# Altium PCB 0.PCB1.PcbDoc (part 7 of 12)
Units mm, origin at the board's own origin, x right, y up, seen from the top; angles counter-clockwise.
Board outline 77 x 72 mm, 6 copper layers (Top Layer, Layer 1, Layer 3, Layer 4, Layer 2, Bottom Layer), stack 1.538 mm thick; 570 components, 490 nets, 3331 pads, 1909 vias.
Unrouted connection lines stored in the file: 2.
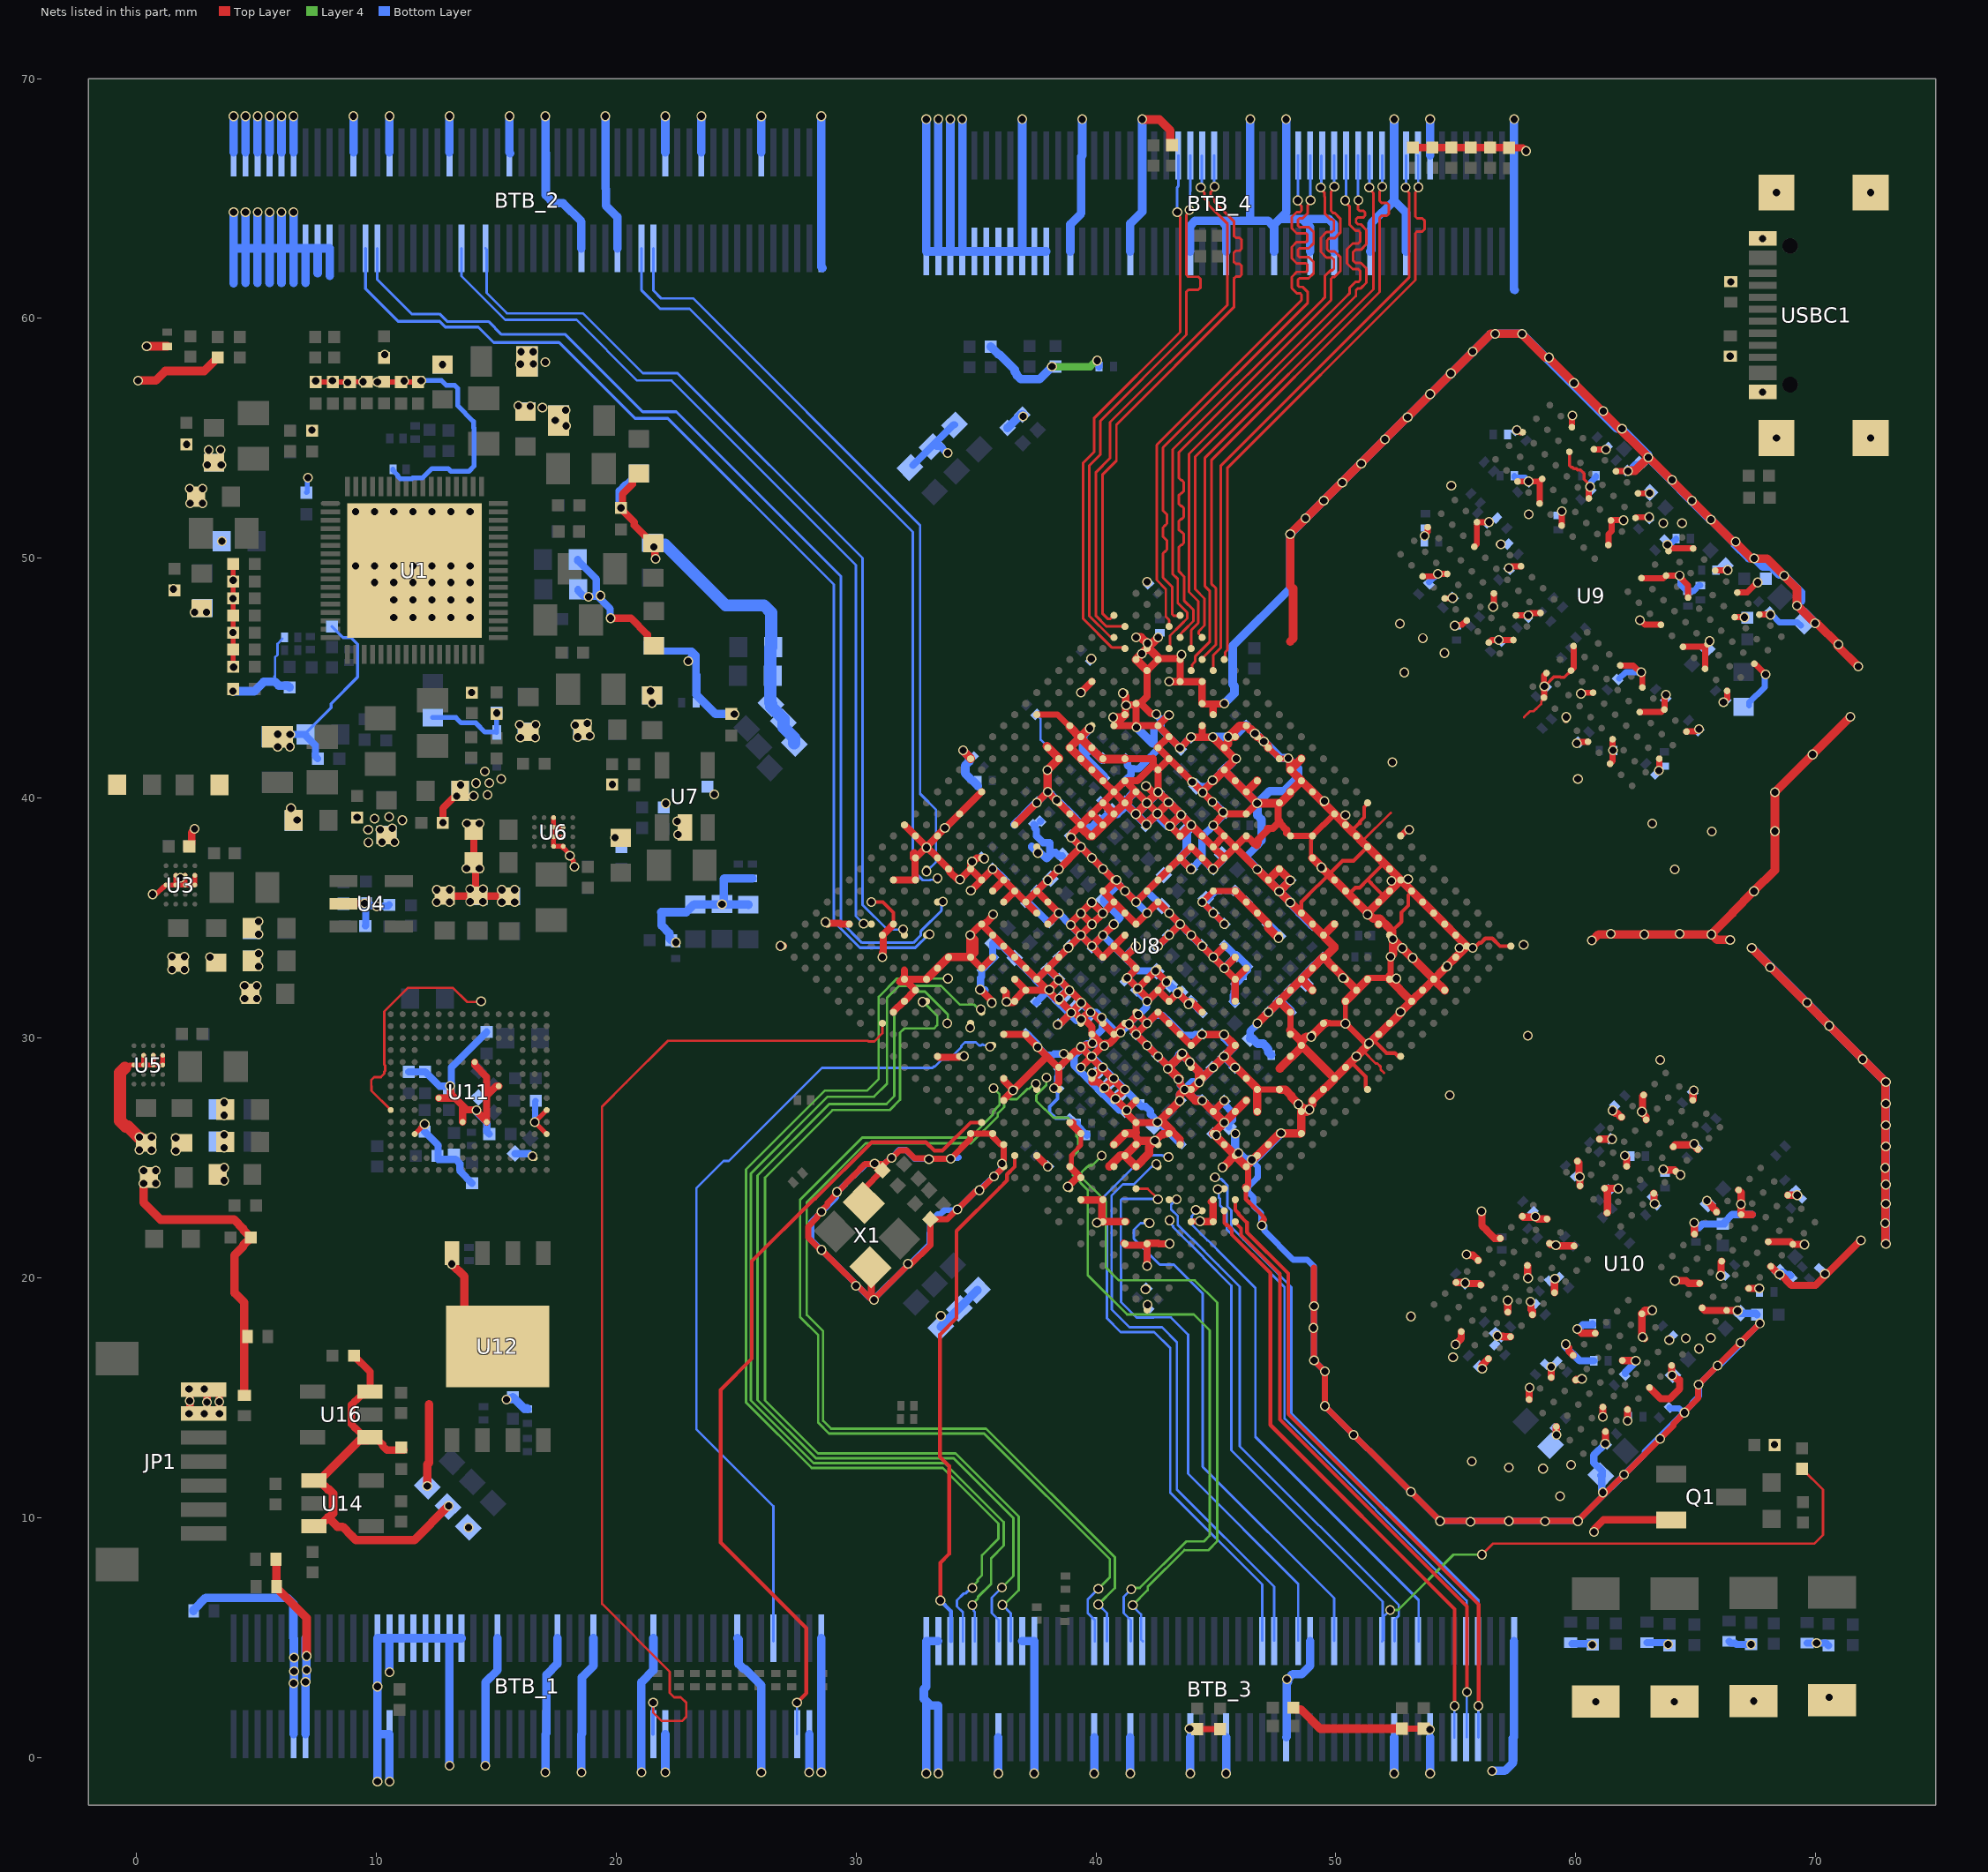
[diagram p11: the nets of this part, all layers, seen from the top]

## Via types
v1: diameter 0.41, hole 0.3, Top Layer to Bottom Layer, tented both sides, 1901 vias
v2: diameter 0.41, hole 0.3, Top Layer to Bottom Layer, 8 vias

## Nets (pads, with @x,y where several pads share a name; then routed paths per layer and width w, separated by ;. In a path a pad name is that pad's centre, name@x,y a point inside that pad or via, vN(x,y) a via of type N, cw(c..) or ccw(c..) an arc to the next point about the centre after c; other vN are vias at no path point) (continued)
GND: (continued)
  Bottom Layer w0.102: 5.765,45.066 5.778,45.079 5.778,45.866 5.879,45.967 5.879,46.431 R40.1@6.088,46.64 ; R54.2@37.501,43.491 37.695,43.297 37.695,42.428 38.318,41.806 38.318,41.499 v1(37.982,41.163)
  Bottom Layer w0.127: 5.765,45.066 5.773,45.058 5.773,44.857 ; C50.2@7.055,42.656 7.055,42.706 8.117,43.768 8.117,43.937 9.224,45.044 9.224,46.414 8.952,46.686 8.62,46.686 R13.1@8.161,47.145
  Bottom Layer w0.142: v1(38.254,27.901) 38.354,27.801 38.399,27.801 38.399,27.455 38.069,27.125 38.069,26.896 38.319,26.646 38.691,26.646 38.714,26.669 38.865,26.669 38.889,26.693 C179.1@38.949,26.634
  Bottom Layer w0.203: C64.1@7.095,52.733 7.122,52.76 7.122,53.326 v1(7.149,53.353) ; R42.1@10.697,53.712 10.697,53.662 10.893,53.465 10.893,53.427 11.012,53.308 11.481,53.308 11.513,53.341 11.922,53.341 12.321,53.739 12.999,53.739 13.113,53.625 13.858,53.625 14.084,53.851 14.084,55.418 14.056,55.446 14.056,55.699 13.387,56.368 13.387,57.085 13.268,57.204 12.925,57.204 12.712,57.417 v1@12.034,57.417 ; C61.2@12.352,43.353 13.319,43.353 13.535,43.137 14.15,43.137 14.535,42.753 15.004,42.753 U2.2@15.019,42.737 v1(15.019,43.545)
  Bottom Layer w0.254: v1(16.602,26.491) 16.624,26.512 16.624,27.358 C395.1@16.645,27.38 ; v1(28.565,22.747) 28.144,22.326 28.144,21.583 29.773,19.954 30.556,19.171 30.603,19.171 30.701,19.073 v1(30.754,19.073) 30.754,19.12 32.163,20.53 v1(32.163,20.577) ; v1@28.565,22.775 28.601,22.811 28.629,22.811 29.168,23.35 29.168,23.537 v1(29.206,23.574) ; v1@29.254,23.608 29.883,24.237 29.897,24.237 ; 29.903,24.255 29.915,24.255 30.39,24.73 30.746,24.73 v1(30.776,24.76) ; v1@30.754,24.737 31.177,24.737 31.442,25.002 v1(31.484,25.002) ; v1@31.494,25.04 31.531,25.077 31.551,25.077 31.795,25.322 32.074,25.322 32.434,24.962 33.018,24.962 v1(33.04,24.941) 33.052,24.953 33.941,24.953 33.979,24.991 34.251,24.991 34.277,25.017 ; v1@32.211,20.53 33.056,21.376 33.056,21.856 33.092,21.892 ; 33.09,21.893 33.09,22.353 33.239,22.502 33.261,22.502 33.403,22.644 33.516,22.644 33.689,22.817 34.199,22.817 v1(34.229,22.847) ; v1@34.23,22.846 34.999,23.615 35.118,23.615 v1(35.148,23.645) 35.732,24.229 v1(35.757,24.229) 36.05,24.522 36.05,24.725 v1(36.088,24.763) ; v1(38.17,57.986) 38.316,57.986 R63.1@38.323,57.993 ; v1(44.427,35.659) v1(44.886,35.2) v1(45.346,34.74) ; C149.1@44.585,35.8 44.691,35.8 45.005,36.113 45.21,36.113 ; 45.404,36.115 45.406,36.114 45.731,36.114 C209.1@45.766,36.149 45.789,36.172 45.821,36.172 C198.1@46.303,35.69 47.584,34.409 47.584,34.189 v1(47.614,34.159) ; v1(46.502,24.915) 46.502,24.873 46.751,24.624 46.751,24.189 46.344,23.782 46.344,23.572 46.563,23.354 46.563,23 46.889,22.674 46.889,22.215 v1(46.919,22.185) ; v1@47.019,22.165 47.019,21.959 48.229,20.75 48.813,20.75 49.092,20.47 v1(49.092,18.819) v1(49.092,16.559) v1(49.55,16.101) 49.55,14.647 v1(50.743,13.452) ; v1@50.764,13.435 51.946,12.253 51.95,12.253 v1(53.131,11.072) v1(54.35,9.853) v1(57.22,9.853) 58.71,9.853 v1(58.72,9.843) ; C334.1@53.893,48.994 v1(54.249,49.35) ; C329.1@57.444,53.439 57.444,53.389 57.467,53.366 57.878,53.366 C335.1@58.008,53.236 ; v1@58.719,9.853 v1(60.091,9.853) 62.871,12.633 62.871,12.735 64.511,14.375 v1(64.536,14.375) ; C299.1@60.599,53.058 60.622,53.058 60.636,53.073 60.636,53.178 60.848,53.389 C325.1@60.848,53.439 ; C302.1@61.818,44.981 62.082,45.246 v1(62.73,45.246) ; v1(62.176,53.634) 62.197,53.634 62.483,53.921 62.632,53.921 C297.1@62.681,53.871 ; v1(63.824,50.567) 63.854,50.597 63.959,50.597 64.112,50.75 64.162,50.75 64.185,50.773 C321.1@64.185,50.823 ; C350.1@63.91,14.586 63.945,14.551 64.317,14.551 64.464,14.405 v1@64.472,14.405 ; v1@64.358,49.223 64.365,49.216 64.365,48.881 64.638,48.609 C303.1@64.688,48.609 ; v1@64.536,14.4 64.866,14.73 64.866,14.781 65.145,15.06 v1@65.145,15.517 ; C303.1@64.739,48.613 64.757,48.632 64.915,48.632 65.146,48.863 C327.1@65.196,48.863 ; v1(65.122,15.541) v1@65.145,15.517 ; v1(65.915,16.335) 65.145,15.564 v1@65.145,15.517 ; v1@65.945,16.305 66.904,17.263 66.904,17.325 67.673,18.093 v1(67.674,18.093) ; C307.1@67.228,43.864 67.228,43.978 67.876,44.626 67.876,45.122 v1(67.914,45.159) ; v1(68.117,47.648) 68.17,47.648 68.489,47.329 69.249,47.329 C322.1@69.387,47.191
  Bottom Layer w0.305: C56.1@5.85,42.565 5.937,42.652 v1(6.408,42.652) ; C56.1@6.077,42.791 6.231,42.637 6.392,42.637 v1(6.408,42.652) ; C60.1@7.559,41.64 7.461,41.738 7.461,42.2 7.055,42.606 C50.2@7.055,42.656 7.053,42.654 6.41,42.654 v1(6.408,42.652) ; C78.1@8.633,35.59 8.643,35.599 9.278,35.599 9.287,35.609 ; 9.287,35.612 9.515,35.612 v1(9.515,35.609) ; R23.1@9.541,34.669 9.557,34.685 C77.1@9.557,35.6 ; C77.1@9.573,35.616 9.671,35.518 9.952,35.518 9.989,35.482 v1(10.017,35.482) 10.037,35.502 10.49,35.502 C80.1@10.538,35.551 ; C392.2@11.351,28.584 C390.2@12.037,28.584 12.632,27.989 13.133,27.989 13.133,28.774 C386.2@14.602,30.243 ; C391.2@12.019,26.091 12.581,25.529 12.581,24.936 13.306,24.936 13.484,24.758 13.484,24.487 13.506,24.464 13.506,24.425 R108.1@13.992,23.939 ; v1(14.178,26.978) 14.198,26.958 14.198,26.882 14.612,26.468 14.612,26.088 C389.2@14.71,25.991 ; C388.2@15.784,25.172 16.387,25.172 16.488,25.071 v1(16.517,25.071) ; C1.2@18.4,49.946 18.4,49.896 19.174,49.121 19.174,48.605 v1(19.341,48.438) ; C62.2@18.41,48.7 18.41,48.65 18.633,48.427 18.683,48.427 18.702,48.408 18.824,48.408 v1(18.844,48.388) ; v1@18.854,48.388 18.874,48.408 19.116,48.408 v1@19.244,48.536 ; v1@19.272,48.369 19.751,47.89 19.751,47.514 v1(19.765,47.5) ; v1(20.201,52.098) 20.201,52.126 20.13,52.197 20.13,52.812 20.399,53.081 20.451,53.081 20.815,53.444 C14.1@20.815,53.516 ; C69.1@21.573,46.351 21.795,46.128 23.151,46.128 ; v1(23.004,45.71) 23.004,45.739 23.151,45.885 23.151,46.128 ; 23.329,45.174 23.329,45.949 23.151,46.128 ; C106.1@32.372,53.869 34.065,55.563 C105.1@34.103,55.563 ; C104.1@33.357,54.669 33.361,54.673 33.503,54.673 33.792,54.384 v1(33.82,54.384) ; v1(35.174,32.013) 35.192,31.995 35.379,31.995 35.381,31.993 35.381,31.976 ; v1@35.174,32.07 35.194,32.09 35.194,32.502 35.234,32.542 C296.1@35.234,32.83 ; v1@35.199,32.039 v1@35.229,32.01 ; C296.1@35.266,32.866 C295.1@35.725,33.324 35.757,33.356 35.757,33.36 35.693,33.424 C164.1@35.693,33.944 35.831,33.944 35.95,33.825 36.098,33.825 C165.1@36.613,33.31 ; v1(35.696,37.038) 35.76,37.038 36.185,36.613 C244.1@36.188,36.613 ; C165.1@36.608,33.335 37.467,32.475 37.467,32.443 37.499,32.411 ; 36.61,38.87 36.586,38.895 36.586,38.898 36.999,39.312 ; 37.032,39.365 37.035,39.365 37.473,39.802 v1(37.537,39.802) 37.992,40.258 v1(37.994,40.258) 38.031,40.258 C219.1@38.415,39.874 ; C294.1@37.11,30.184 37.11,30.18 37.548,29.742 v1@37.548,29.613 ; 37.327,37.996 37.327,37.951 37.419,37.859 v1@37.56,37.859 ; C237.1@37.417,38.894 37.449,38.862 37.449,38.753 37.52,38.682 37.52,38.414 37.795,38.14 38.069,38.14 38.08,38.129 38.08,37.601 ; C242.2@37.496,36.154 C242.2@37.532,36.118 ; C241.1@37.506,31.478 v1@37.969,31.941 ; v1(37.568,29.613) 37.597,29.613 37.93,29.279 38.206,29.279 38.254,29.327 38.645,29.327 v1(38.656,29.339) ; v1(37.579,37.715) v1@37.643,37.779 ; v1@37.595,37.827 37.595,37.824 37.947,37.472 37.951,37.472 38.08,37.601 ; R55.2@37.688,39.038 R55.2@37.688,39.041 ; v1(37.991,36.577) C242.2@37.532,36.118 ; v1(38.059,32.009) 38.037,32.009 v1@37.969,31.941 ; v1(38.254,27.901) 38.254,27.929 38.399,28.074 38.399,28.376 38.434,28.411 38.434,28.702 C183.1@38.466,28.734 ; v1(38.361,39.907) 38.389,39.907 38.506,39.789 38.531,39.789 C220.1@38.947,39.373 39.418,38.902 39.418,38.728 39.438,38.707 ; v1(38.396,30.55) 38.475,30.55 38.918,30.992 39.189,30.72 39.34,30.72 39.383,30.764 v1(39.383,30.769) ; C129.1@38.602,37.59 38.464,37.59 38.324,37.73 38.209,37.73 38.08,37.601 ; v1(38.9,31.978) 38.884,31.978 C170.1@37.976,32.887 ; 38.908,29.224 38.903,29.219 39.089,29.219 ; v1@38.939,34.711 v1(39.83,33.82) 39.83,33.822 41.007,34.999 40.317,35.689 C127.1@40.317,35.773 40.871,36.326 C111.1@40.871,36.469 ; v1(38.947,34.712) 38.942,34.712 38.456,35.199 v1(38.451,35.199) 38.044,34.791 38.04,34.791 C166.1@38.027,34.805 37.172,35.659 37.142,35.659 37.11,35.691 37.106,35.691 C245.1@37.074,35.659 C242.2@37.532,36.118 ; v1(38.968,31.047) 38.948,31.067 38.842,31.067 37.98,31.93 v1@37.969,31.941 ; v1(38.973,38.352) 38.988,38.352 v1(39.376,37.964) v1(39.835,37.504) v1(40.295,37.044) C111.1@40.871,36.469 ; C277.1@39.217,26.439 39.219,26.437 39.219,26.342 39.582,25.979 39.616,25.979 39.618,25.976 C283.1@39.618,25.931 ; v1(39.371,34.281) C170.1@37.976,32.887 ; v1(39.38,29.617) v1@39.433,29.564 ; v1(39.385,31.461) 39.391,31.461 v1(39.784,31.068) ; v1@39.398,30.755 39.533,30.891 39.67,30.891 39.842,31.062 40.022,31.062 C169.1@40.288,30.796 ; v1(39.855,29.773) 39.835,29.753 39.622,29.753 v1@39.433,29.564 ; v1(40.054,58.242) 40.054,58.213 40.129,58.138 40.129,57.988 C230.2@40.131,57.986 ; C221.1@40.237,39.859 40.24,39.859 40.596,39.503 C108.1@40.596,39.469 ; v1(40.289,34.278) 41.197,33.37 ; v1(40.344,29.665) 40.323,29.685 40.049,29.685 39.982,29.753 39.861,29.753 39.844,29.769 39.875,29.8 39.875,29.973 40.268,30.365 40.268,30.776 C169.1@40.288,30.796 ; v1(40.871,36.582) C111.1@40.871,36.469 ; C223.1@41.205,40.71 41.205,40.714 41.465,40.974 C224.1@41.465,41.169 ; R57.2@41.278,41.637 41.31,41.605 41.31,41.374 C224.1@41.465,41.219 ; v1(41.282,26.989) 40.966,26.989 C181.1@39.754,28.201 39.089,28.866 39.089,29.219 ; v1@41.378,30.557 41.378,30.551 41.602,30.328 C135.1@41.602,30.166 ; C224.1@41.468,41.171 C224.1@41.465,41.169 ; v1(41.666,33.814) 41.642,33.814 41.197,33.37 ; v1(41.673,30.148) v1@43.051,28.77 ; v1(41.764,30.97) 41.764,30.967 41.378,30.582 41.378,30.559 v1(41.035,30.216) 41.015,30.236 40.848,30.236 C169.1@40.288,30.796 ; v1(42.133,35.206) v1(41.674,35.666) ; 42.413,42.276 42.413,42.859 42.592,43.037 42.594,43.037 42.722,43.165 ; v1(42.486,32.796) 42.466,32.776 42.388,32.776 42.367,32.796 41.774,32.796 41.671,32.9 C180.1@41.668,32.9 ; v1(42.486,32.796) 43.857,31.426 v1(43.857,31.408) ; v1(42.521,43.496) 42.521,43.468 42.722,43.267 42.722,43.165 ; v1(42.565,26.49) 42.565,26.518 42.272,26.811 42.272,26.944 42.079,27.137 41.916,27.137 41.668,27.385 C136.1@41.665,27.385 v1(41.205,27.844) v1(40.746,28.304) v1(39.827,29.223) 39.806,29.243 39.754,29.243 39.536,29.461 v1@39.433,29.564 ; v1(42.584,33.822) 42.59,33.822 v1(43.51,34.742) ; 42.59,42.099 42.562,42.071 42.562,42.004 42.166,41.607 C266.1@42.166,41.604 42.162,41.604 41.777,41.219 C224.1@41.465,41.219 ; C148.1@42.754,35.494 42.16,36.088 42.16,36.151 ; v1(42.937,32.328) 42.935,32.328 42.13,31.522 v1(42.128,31.522) ; v1@43.029,28.744 43.026,28.742 43.026,28.675 v1@43.45,28.251 ; v1(43.043,43.458) 43.015,43.458 42.722,43.165 ; v1(43.05,35.202) v1(43.51,34.742) ; v1(43.434,28.267) 43.434,28.239 43.511,28.162 43.511,28.033 v1(43.7,27.844) 43.72,27.824 43.755,27.824 44.125,27.453 C292.1@44.428,27.453 ; 43.504,37.493 43.049,37.038 43.047,37.038 42.16,36.151 ; 43.505,37.493 v1(43.965,37.034) 44.422,37.491 44.422,37.493 ; v1(43.962,42.539) 43.96,42.539 v1(43.505,42.084) 42.722,42.867 42.722,43.165 ; v1(43.969,38.872) 44.439,38.403 ; C124.1@44.003,31.561 44.035,31.529 44.035,31.445 C116.1@44.423,31.057 ; C274.1@44.192,40.484 44.635,40.484 44.856,40.705 C262.1@44.859,40.705 44.863,40.705 45.318,41.16 C263.1@45.341,41.16 ; v1(44.425,30.142) 44.134,30.142 44.102,30.11 43.612,30.11 43.545,30.177 C123.1@43.542,30.177 C113.1@43.082,30.637 42.781,30.938 42.464,30.938 v1(42.13,30.603) 41.778,30.956 42.108,31.286 42.108,31.502 v1(42.128,31.522) ; C216.1@44.918,39.765 44.95,39.733 45.007,39.733 C217.1@45.345,39.395 ; C193.1@45.228,37.614 45.348,37.494 44.888,37.033 v1(44.882,37.033) 44.422,37.493 ; v1(45.347,27.386) 45.347,27.238 45.689,26.897 45.689,26.574 45.538,26.423 C282.1@45.538,26.285 ; C217.1@45.379,39.361 45.38,39.357 44.887,38.864 v1(44.887,38.859) 44.887,38.851 44.439,38.403 ; C214.1@45.381,33.856 45.385,33.856 C213.1@45.767,33.474 ; C206.1@45.765,31.481 45.733,31.512 45.733,31.77 45.765,31.803 45.765,31.932 45.8,31.967 45.8,32.258 C205.1@45.832,32.29 45.864,32.322 45.902,32.322 46.146,32.566 C202.1@46.146,32.611 46.146,32.657 46.315,32.825 46.315,32.942 46.347,32.974 46.347,32.977 C191.1@46.315,33.009 45.85,33.474 C213.1@45.767,33.474 ; C201.1@46.427,29.968 46.427,30.27 46.73,30.573 v1(46.73,30.61) ; 46.73,38.047 46.73,38.019 46.325,37.614 46.325,37.509 46.305,37.489 47.644,36.15 v1(47.644,36.11) ; v1@59.557,17.143 60.167,16.533 C346.1@60.756,16.533 ; U17.1@59.842,4.741 60.662,4.741 C400.1@60.709,4.694 ; v1@60.065,17.879 60.136,17.879 60.292,18.035 60.703,18.035 60.705,18.037 C357.1@60.705,18.083 ; C366.1@61.051,11.753 61.087,11.718 61.087,11.131 61.132,11.086 v1(61.132,11.047) ; C366.1@61.107,11.733 61.107,11.936 60.751,12.291 60.751,12.594 v1(61.235,13.079) ; C369.1@62.072,16 62.072,16.062 62.504,16.494 v1(62.504,16.533) ; U20.1@62.97,4.788 63.783,4.788 C401.1@63.91,4.661 ; C363.1@65.135,22.093 65.283,22.241 C342.1@66.136,22.241 ; C342.1@66.212,22.248 66.212,22.317 66.529,22.634 67.355,22.634 ; U21.1@66.399,4.839 66.472,4.766 66.646,4.766 66.7,4.712 v1(67.313,4.712) ; v1(66.753,18.624) 66.759,18.624 66.868,18.516 67.506,18.516 C341.1@67.558,18.464 ; v1(68.498,20.14) 68.586,20.228 68.648,20.228 68.736,20.14 68.904,20.14 C384.1@68.955,20.089 ; U22.1@69.65,4.769 v1(70.041,4.769) 70.431,4.769 C403.1@70.539,4.661 ; 37.499,32.411 v1@37.969,31.941 ; 37.499,32.411 37.5,32.411 C170.1@37.976,32.887 ; 39.089,29.219 v1@39.433,29.564 ; C111.1@40.871,36.469 v1(41.214,36.125) v1(41.674,35.666) ; 41.197,33.37 C180.1@41.668,32.9 ; C224.1@41.465,41.169 C224.1@41.465,41.219 ; C180.1@41.668,32.9 41.683,32.884 41.683,32.881 v1(41.303,32.501) 41.677,32.127 41.677,32.002 42.128,31.55 v1(42.128,31.522) ; v1@41.674,35.666 42.16,36.151 ; v1(43.51,34.742) 43.963,34.289 v1(44.889,33.363) v1(45.349,32.904) 45.349,32.932 45.767,33.351 C213.1@45.767,33.474 ; 44.422,37.493 44.422,38.387 44.439,38.403
  Bottom Layer w0.356: U23.1@2.383,6.101 2.383,6.151 2.888,6.656 6.295,6.656 6.547,6.404 6.547,4.973 BTB_1.6@6.551,4.97 6.564,4.956 BTB_1.6@6.564,4.149 ; v1(4.031,44.458) 4.922,44.458 5.313,44.849 5.765,44.849 5.773,44.857 5.939,44.691 6.311,44.691 R15.1@6.383,44.619 ; v1(4.051,64.431) BTB_2.100@4.051,62.92 ; BTB_2.1@4.051,66.92 v1(4.051,68.431) ; 4.058,61.468 4.051,61.476 BTB_2.100@4.051,62.92 ; 4.551,61.476 BTB_2.99@4.551,62.92 ; v1(4.551,64.431) BTB_2.99@4.551,62.92 ; BTB_2.2@4.551,66.92 v1(4.551,68.431) ; 5.051,61.476 BTB_2.98@5.051,62.92 ; v1(5.051,64.431) BTB_2.98@5.051,62.92 ; BTB_2.3@5.051,66.92 v1(5.051,68.431) ; 5.551,61.476 BTB_2.97@5.551,62.92 ; v1(5.551,64.431) BTB_2.97@5.551,62.92 ; BTB_2.4@5.551,66.92 v1(5.551,68.431) ; 6.051,61.476 BTB_2.96@6.051,62.92 ; v1(6.051,64.431) BTB_2.96@6.051,62.92 ; BTB_2.5@6.051,66.92 v1(6.051,68.431) ; BTB_1.95@6.551,0.97 6.552,0.971 6.552,3.093 v1(6.554,3.094) ; 6.551,61.476 BTB_2.95@6.551,62.92 ; v1(6.551,64.431) BTB_2.95@6.551,62.92 ; BTB_2.6@6.551,66.92 v1(6.551,68.431) ; v1@6.556,3.102 6.568,3.114 v1@6.568,3.594 ; BTB_1.6@6.567,4.147 6.567,3.602 v1(6.574,3.595) ; BTB_1.94@7.051,0.97 7.051,3.159 7.086,3.194 7.086,3.632 v1(7.096,3.643) 7.086,3.653 7.086,4.19 7.051,4.224 BTB_1.7@7.051,4.97 ; 7.051,61.476 BTB_2.94@7.051,62.92 ; 7.558,61.887 7.558,62.913 BTB_2.93@7.551,62.92 ; 8.064,61.773 8.064,62.907 BTB_2.92@8.051,62.92 BTB_2.93@7.551,62.92 ; BTB_2.11@9.051,66.92 v1(9.051,68.431) ; v1(10.051,-1.01) BTB_1.88@10.051,0.97 ; v1(10.551,-1.007) BTB_1.87@10.551,0.97 BTB_1.88@10.051,0.97 ; v1(10.551,3.549) BTB_1.14@10.551,4.97 ; BTB_2.14@10.551,66.92 v1(10.551,68.431) ; v1(13.051,-0.344) BTB_1.19@13.051,4.97 ; BTB_2.19@13.051,66.92 v1(13.051,68.431) ; BTB_1.20@13.551,4.97 BTB_1.19@13.051,4.97 ; v1(14.551,-0.344) 14.551,3.132 15.051,3.632 BTB_1.23@15.051,4.97 ; v1(15.422,14.92) 15.437,14.92 15.465,14.948 15.619,14.948 C397.1@15.691,15.02 16.162,14.55 16.279,14.55 16.301,14.527 C396.1@16.301,14.522 ; v1(15.551,68.431) BTB_2.24@15.551,66.92 BTB_2.24@15.582,66.889 ; v1(17.051,-0.618) BTB_1.74@17.051,0.97 17.093,1.012 17.093,3.44 17.551,3.897 BTB_1.28@17.551,4.97 ; v1(17.051,68.431) BTB_2.27@17.051,66.92 17.063,66.908 17.063,65.141 17.401,64.803 17.784,64.803 18.551,64.036 BTB_2.71@18.551,62.92 ; v1(18.551,-0.618) BTB_1.71@18.551,0.97 18.574,0.992 18.574,3.337 19.051,3.815 BTB_1.31@19.051,4.97 ; v1(19.551,68.431) 19.551,65.411 19.571,65.391 19.571,64.706 20.051,64.226 BTB_2.68@20.051,62.92 ; v1(21.051,-0.618) BTB_1.66@21.051,0.97 21.051,3.137 21.551,3.637 BTB_1.36@21.551,4.97 ; v1(22.051,-0.618) BTB_1.64@22.051,0.97 ; BTB_2.37@22.051,66.92 v1(22.051,68.431) ; C279.1@22.292,34.075 22.22,34.147 22.22,34.365 21.897,34.687 21.891,34.687 21.888,34.691 21.888,35.235 21.884,35.238 22.922,35.238 23.251,35.568 C161.1@23.301,35.568 23.308,35.561 25.504,35.561 C163.1@25.511,35.554 ; 23.342,45.131 23.342,44.303 24.142,43.503 v1(24.926,43.503) ; BTB_2.40@23.551,66.92 v1(23.551,68.431) ; v1(24.414,35.577) 24.486,35.648 24.486,36.625 24.51,36.649 25.682,36.649 C264.1@25.684,36.651 ; BTB_1.43@25.051,4.97 25.104,4.917 25.104,3.897 25.31,3.69 25.359,3.69 26.051,2.999 BTB_1.56@26.051,0.97 v1(26.051,-0.618) ; BTB_2.45@26.051,66.92 v1(26.051,68.431) ; v1(28.051,-0.618) BTB_1.52@28.051,0.97 ; v1(28.551,-0.618) BTB_1.51@28.551,0.97 BTB_1.50@28.551,4.97 ; v1(28.551,68.431) BTB_2.50@28.551,66.92 BTB_2.51@28.551,62.92 28.551,62.151 BTB_2.51@28.604,62.098 ; v1(32.931,-0.668) BTB_3.100@32.931,0.843 32.931,2.343 ; v1(32.931,68.304) BTB_4.1@32.931,66.793 BTB_4.100@32.931,62.793 BTB_4.99@33.431,62.793 ; v1(33.431,-0.668) BTB_3.99@33.431,0.843 33.431,2.16 33.113,2.16 32.931,2.343 ; BTB_3.2@33.431,4.843 BTB_3.1@32.931,4.843 32.931,2.946 32.83,2.845 32.83,2.444 32.931,2.343 ; v1(33.431,68.304) BTB_4.2@33.431,66.793 BTB_4.99@33.431,62.793 ; C141.1@33.531,17.944 33.531,17.95 35.056,19.475 C143.1@35.056,19.48 ; v1(33.931,68.304) BTB_4.3@33.931,66.793 BTB_4.98@33.931,62.793 ; v1(34.431,68.304) BTB_4.4@34.431,66.793 BTB_4.97@34.431,62.793 ; v1(34.461,41.986) 34.461,41.971 34.719,41.713 34.719,41.527 34.553,41.362 34.553,41.023 35.084,40.493 ; R17.1@35.614,58.82 35.935,58.499 35.98,58.499 36.613,57.866 36.613,57.775 36.701,57.687 36.701,57.627 36.865,57.463 37.648,57.463 v1(38.17,57.986) ; v1(35.931,-0.668) BTB_3.94@35.931,0.843 ; C257.1@36.318,55.437 36.849,55.967 36.918,55.967 v1(36.966,55.918) ; BTB_4.93@36.484,62.793 BTB_4.92@36.931,62.793 ; C267.1@36.927,55.985 C267.1@36.933,55.985 ; BTB_3.9@36.931,4.843 BTB_3.10@37.431,4.843 BTB_3.91@37.431,0.843 v1(37.431,-0.668) ; v1(36.931,68.304) BTB_4.9@36.931,66.793 BTB_4.92@36.931,62.793 ; BTB_4.90@37.931,62.793 BTB_4.91@37.431,62.793 BTB_4.92@36.931,62.793 ; BTB_4.88@38.931,62.793 38.931,63.92 39.39,64.379 39.39,66.752 BTB_4.14@39.431,66.793 v1(39.431,68.304) ; 39.519,38.756 39.817,38.756 40.061,39 C107.1@40.164,39 40.189,39 40.608,39.419 40.608,39.458 C108.1@40.596,39.469 ; v1(39.748,42.902) 39.748,42.887 39.469,42.609 39.469,41.768 ; v1(39.931,-0.668) BTB_3.86@39.931,0.843 ; C222.1@40.264,41.607 39.804,42.067 39.783,42.067 39.484,41.768 39.469,41.768 ; C228.1@40.337,40.9 39.469,41.768 ; C108.1@40.69,39.339 40.695,39.335 40.888,39.335 41.155,39.602 41.155,39.623 41.239,39.706 ; C229.1@41.142,39.8 41.236,39.706 41.239,39.706 ; v1(41.431,-0.668) BTB_3.83@41.431,0.843 ; BTB_4.83@41.431,62.793 41.431,63.951 41.931,64.451 BTB_4.19@41.931,66.793 v1(41.931,68.304) ; 41.528,40.176 41.528,40.162 41.266,39.9 41.266,39.733 ; v1(41.697,42.95) 42.371,42.276 42.413,42.276 ; v1(42.563,39.352) v1@42.517,39.306 ; v1(42.565,26.49) 42.575,26.48 42.659,26.48 C285.1@43.089,26.049 C278.1@43.546,25.592 ; v1(42.993,28.711) 42.993,28.726 43.394,29.127 43.394,29.149 C145.1@43.473,29.229 ; C145.1@43.473,29.26 C145.1@43.477,29.256 ; C145.1@43.473,29.29 43.536,29.353 43.614,29.353 43.664,29.302 43.664,29.247 v1@43.93,28.98 ; v1(43.499,27.379) 43.499,27.628 43.7,27.829 v1(43.7,27.844) 43.715,27.844 44.01,28.139 44.277,28.139 44.286,28.148 44.286,28.166 44.463,28.343 ; 43.505,37.493 43.505,37.508 43.791,37.793 C256.1@43.791,38.691 ; v1(43.546,39.296) v1(43.082,38.833) 43.072,38.843 42.979,38.843 v1@42.517,39.306 ; v1(43.923,28.976) 43.923,28.964 44.463,28.424 44.463,28.343 ; v1(43.931,-0.668) BTB_3.78@43.931,0.843 ; BTB_4.78@43.931,62.793 43.931,63.864 44.139,64.073 45.222,64.073 ; v1(43.969,38.872) v1(43.026,39.815) v1(42.591,40.251) 41.671,39.332 v1(41.667,39.332) ; v1(44.88,42.538) 44.887,42.545 45.506,42.545 45.524,42.563 45.753,42.563 C239.1@46.231,43.042 46.262,43.042 46.6,42.705 46.622,42.705 v1(46.632,42.694) ; v1(45.343,30.137) 45.353,30.127 45.353,30.011 45.737,29.627 45.737,29.612 45.732,29.612 44.463,28.343 ; v1(45.345,29.222) v1(45.804,28.763) ; v1(45.347,43.938) 45.773,44.364 45.773,44.666 45.702,44.737 45.702,46.343 48.102,48.743 v1(48.102,51.001) v1(49.499,52.398) 56.44,59.34 56.631,59.34 v1(56.649,59.358) v1(57.767,59.358) 61.711,55.413 61.914,55.413 v1(61.932,55.395) 63.006,54.321 63.006,54.219 v1(63.024,54.201) 65.628,51.598 65.653,51.598 66.554,50.697 66.658,50.697 v1(66.668,50.687) ; v1(45.431,-0.668) BTB_3.75@45.431,0.843 ; BTB_4.75@45.431,62.793 45.431,63.864 45.222,64.073 ; v1(45.809,26.011) 45.799,26.001 45.799,25.363 45.945,25.217 v1(45.945,25.202) 45.96,25.202 46.236,24.926 46.491,24.926 v1(46.502,24.915) 46.512,24.926 46.619,24.926 v1(47.716,26.023) ; v1(45.851,41.639) 45.837,41.639 45.566,41.368 45.527,41.368 45.341,41.183 45.341,41.16 45.762,40.739 45.765,40.739 45.765,40.738 v1(46.72,39.781) v1(46.72,39.781) ; C201.1@46.427,29.968 46.529,29.968 46.739,29.758 46.974,29.758 47.131,29.601 47.131,29.576 47.187,29.521 47.187,29.408 47.307,29.289 C204.1@47.312,29.289 ; v1(46.431,68.304) BTB_4.28@46.431,66.793 46.431,64.103 46.401,64.073 ; v1@46.649,42.688 46.653,42.688 46.985,42.355 v1(46.999,42.355) 47.683,41.672 48.005,41.672 v1(48.015,41.661) 48.015,41.647 48.424,41.238 48.424,40.871 47.848,40.295 47.249,40.295 46.735,39.781 v1(46.72,39.781) ; 46.73,38.047 46.73,38.062 46.905,38.237 46.905,39.106 46.73,39.281 46.73,39.771 v1(46.72,39.781) ; v1(47.187,31.065) 47.609,31.487 47.609,31.52 47.613,31.524 47.613,31.555 C187.1@47.609,31.559 ; BTB_4.71@47.431,62.793 47.431,63.919 ; BTB_3.70@47.931,0.843 47.957,0.869 47.957,3.094 48.003,3.14 v1@48.003,3.264 ; v1(47.931,68.304) BTB_4.31@47.931,66.793 47.931,64.419 47.654,64.143 ; v1(47.967,3.262) 47.97,3.264 v1@48.003,3.264 ; v1(48.102,36.569) v1(48.102,36.569) v1(47.644,36.11) 47.656,36.11 48.104,35.663 v1(48.104,35.651) 48.104,35.611 48.471,35.243 48.471,35.219 C199.1@48.99,34.701 ; C192.1@48.139,31.099 47.714,31.524 47.645,31.524 49.478,33.357 C190.1@49.485,33.357 ; BTB_3.33@48.931,4.843 48.931,3.822 48.581,3.473 48.211,3.473 v1@48.003,3.264 ; BTB_4.68@48.931,62.793 48.931,63.813 48.602,64.143 ; BTB_4.66@49.931,62.793 49.921,62.803 49.921,63.934 49.713,64.143 48.602,64.143 ; BTB_4.63@51.431,62.793 51.484,62.846 51.484,63.964 52.431,64.911 ; v1(52.431,-0.668) BTB_3.61@52.431,0.843 ; v1(52.431,68.304) BTB_4.40@52.431,66.793 52.431,64.911 ; BTB_4.60@52.931,62.793 52.931,64.411 52.431,64.911 ; v1(53.931,-0.668) BTB_3.58@53.931,0.843 ; BTB_4.43@53.931,66.793 v1(53.931,68.304) ; v1(56.519,-0.564) 57.045,-0.564 57.378,-0.23 57.378,0.79 BTB_3.51@57.431,0.843 BTB_3.50@57.431,4.843 ; v1(57.431,68.304) 57.431,66.056 BTB_4.51@57.431,62.793 57.431,61.207 57.459,61.179 ; v1@66.603,50.622 67.215,50.011 67.417,50.011 v1(67.435,49.993) 67.46,49.993 67.807,49.647 68.153,49.647 68.477,49.323 68.64,49.323 69.389,48.573 69.389,48.222 69.222,48.055 v1(69.222,48.029) 69.235,48.029 C322.1@69.978,47.286 ; v1(67.342,33.754) v1(72.93,28.166) v1(72.93,27.265) v1(72.93,26.363) v1(72.93,25.474) v1(72.93,23.887) v1(72.93,23.086) v1(72.93,21.41) ; v1@71.775,45.489 v1(71.787,45.489) ; BTB_2.100@4.051,62.92 BTB_2.99@4.551,62.92 ; BTB_2.99@4.551,62.92 BTB_2.98@5.051,62.92 ; BTB_2.98@5.051,62.92 BTB_2.97@5.551,62.92 ; BTB_2.97@5.551,62.92 BTB_2.96@6.051,62.92 ; BTB_2.96@6.051,62.92 BTB_2.95@6.551,62.92 ; BTB_2.95@6.551,62.92 BTB_2.94@7.051,62.92 ; BTB_2.94@7.051,62.92 BTB_2.93@7.551,62.92 ; BTB_1.88@10.051,0.97 v1(10.051,2.956) BTB_1.13@10.051,4.97 BTB_1.14@10.551,4.97 ; BTB_1.14@10.551,4.97 BTB_1.15@11.051,4.97 BTB_1.18@12.551,4.97 BTB_1.19@13.051,4.97 ; BTB_4.99@33.431,62.793 BTB_4.98@33.931,62.793 ; BTB_4.98@33.931,62.793 BTB_4.97@34.431,62.793 ; BTB_4.97@34.431,62.793 BTB_4.95@35.431,62.793 BTB_4.94@35.931,62.793 BTB_4.92@36.931,62.793 ; 41.239,39.706 41.266,39.733 ; 41.266,39.733 v1(41.667,39.332) ; v1(41.667,39.332) v1(42.105,38.894) v1@42.517,39.306 ; 45.222,64.073 46.401,64.073 ; 46.401,64.073 47.172,64.073 47.378,63.866 47.654,64.143 ; 47.654,64.143 48.602,64.143